# Altium PCB PCB1.PcbDoc (part 1 of 2) (continued)
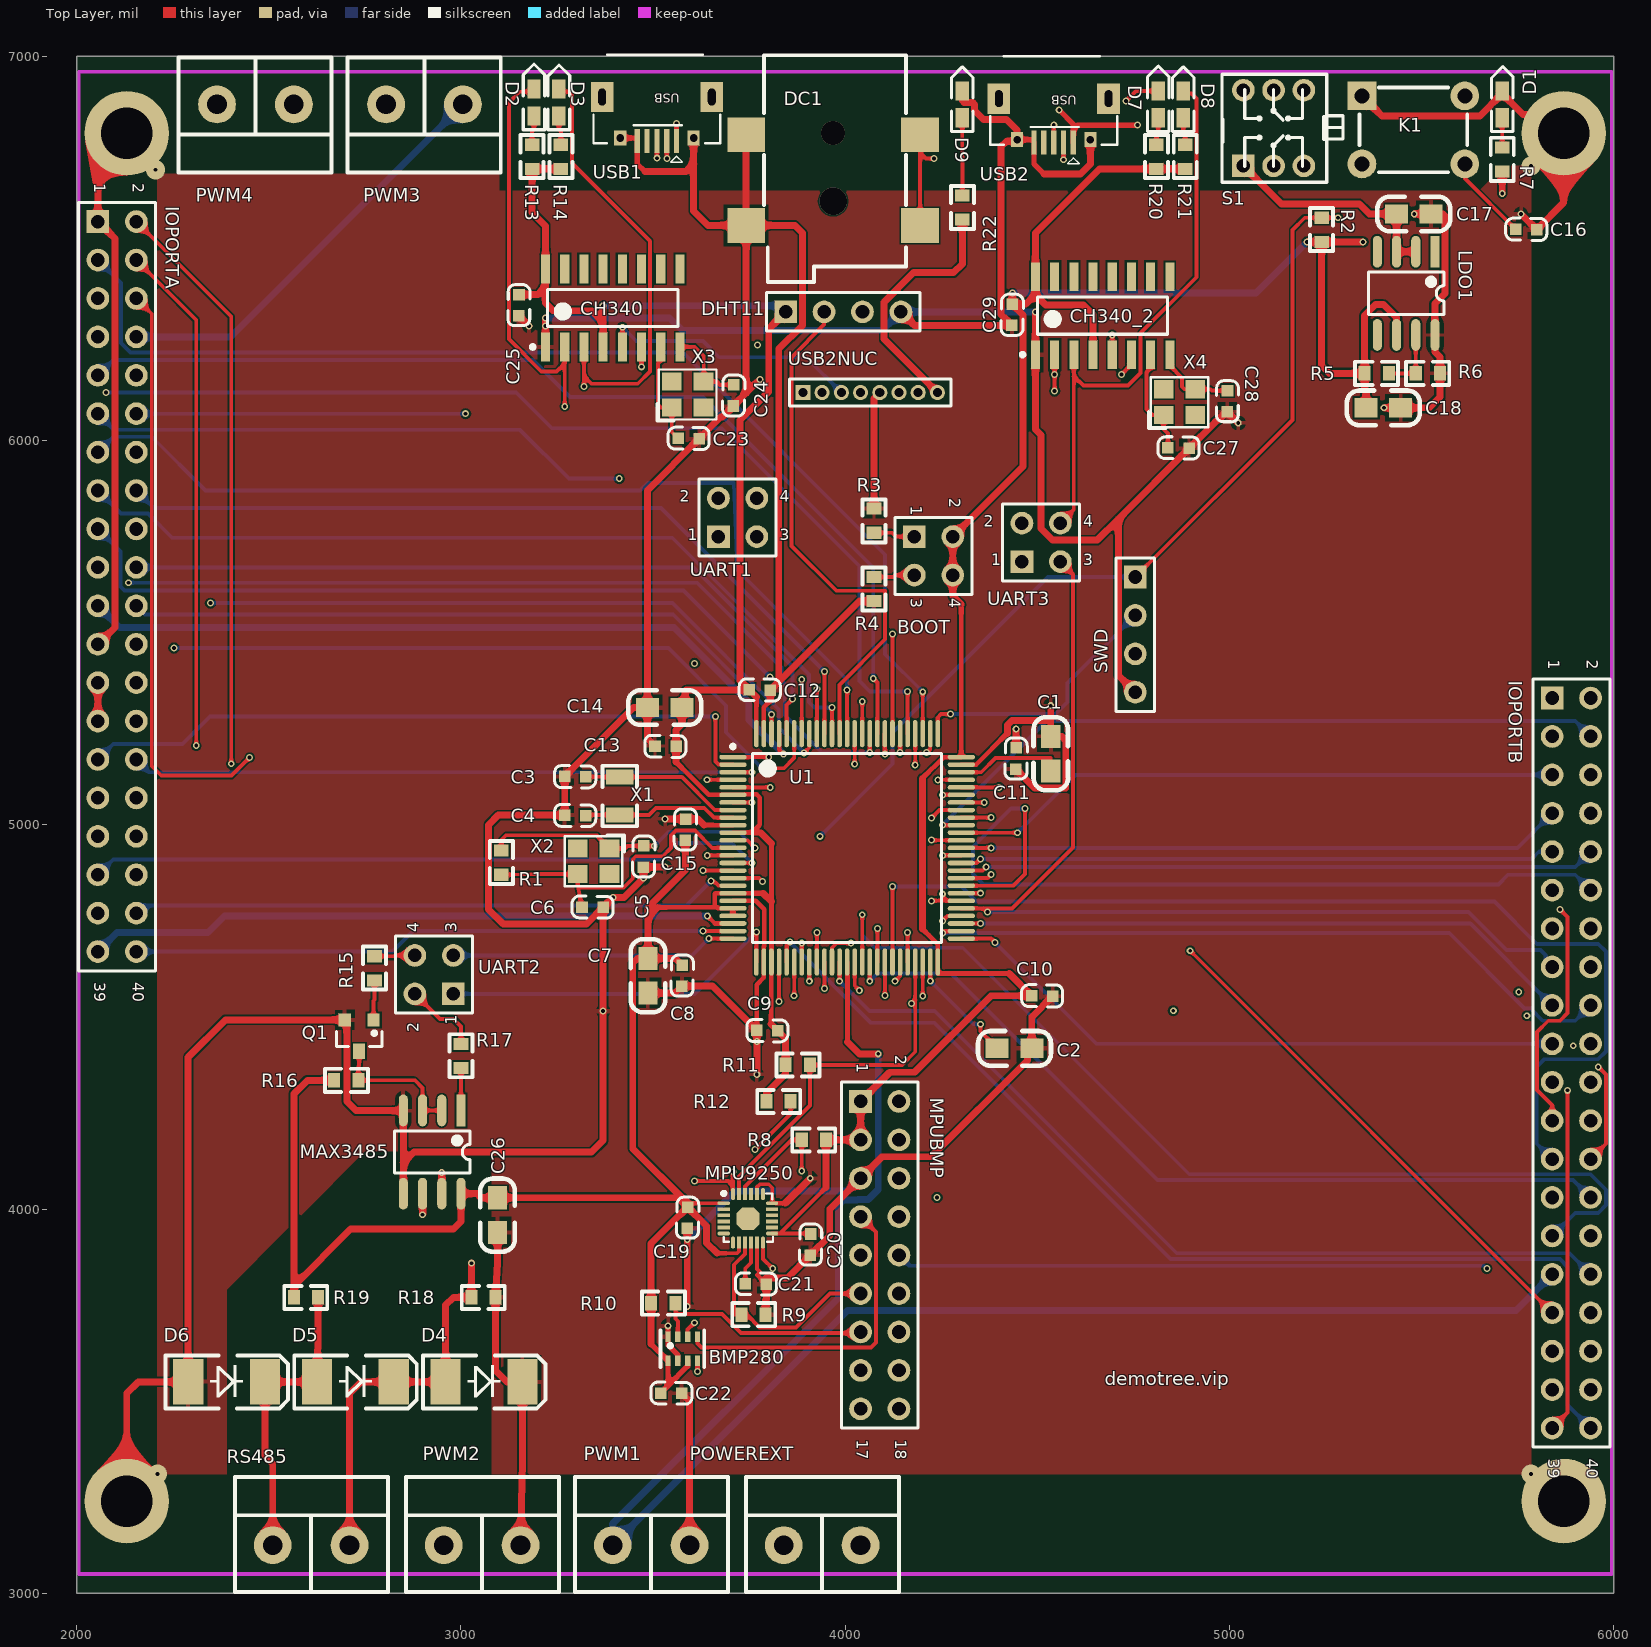
[diagram p0: Top Layer view]
## Components (designator, comment, footprint, x,y, rotation, side; value= is the part's Value field where it differs from the comment) (continued)
BOOT "BOOTMODE" HDR2X2 4180,5750 r270 top
C1 "10uF" 0805C 4535.4,5229.29 r270 top
C2 "10uF" 0805C 4484.94,4417.81 r180 top
C3 "12pF" 0603C 3269.79,5126.35 r0 top
C4 "12pF" 0603C 3269.79,5025.35 r0 top
C5 "22pF" 0603C 3474.65,4889.79 r90 top
C6 "22pF" 0603C 3370.21,4784.65 r180 top
C7 "10uF" 0805C 3486.2,4562.88 r90 top
C8 "104" 0603C 3574.65,4579.79 r90 top
C9 "104" 0603C 3769.79,4465.35 r0 top
C10 "104" 0603C 4540.21,4553.65 r180 top
C11 "104" 0603C 4443.65,5144.79 r90 top
C12 "104" 0603C 3805.21,5349.65 r180 top
C13 "104" 0603C 3504.79,5205.35 r0 top
C14 "10uF" 0805C 3485.71,5305.4 r0 top
C15 "104" 0603C 3585.35,5015.21 r270 top
C16 "104" 0603C 5800.21,6548.65 r180 top
C17 "10uF" 0805C 5524.29,6589.6 r180 top
C18 "10uF" 0805C 5445,6085 r180 top
C19 "104" 0603C 3588.65,3949.79 r90 top
C20 "103" 0603C 3908.65,3879.79 r90 top
C21 "104" 0603C 3795.21,3803.65 r180 top
C22 "104" 0603C 3575.21,3519.65 r180 top
C23 "22pf" 0603C 3620.21,6004.65 r180 top
C24 "22pf" 0603C 3708.65,6089.79 r90 top
C25 "104" 0603C 3149.65,6324.79 r90 top
C26 "104" 0805C 3095,3940 r90 top
C27 "22pf" 0603C 4895.21,5979.65 r180 top
C28 "22pf" 0603C 4993.65,6074.79 r90 top
C29 "104" 0603C 4433.65,6299.79 r90 top
CH340 "CH340G" SOIC127P600X170-16N 3395,6345 r90 top
CH340_2 "CH340G" SOIC127P600X170-16N 4670,6325 r90 top
D1 "GREEN0603" LED-0603G 5710.26,6835 r90 top
D2 "BLUE0603" LED-0603B 3190.26,6845 r90 top
D3 "YELLOW0603" LED-0603Y 3255,6840 r90 top
D4 "SMAJ6.5CA" SMA/DO-214AC 2965,3550 r0 top
D5 "SMAJ6.5CA" SMA/DO-214AC 2630,3550 r0 top
D6 "SMAJ6.5CA" SMA/DO-214AC 2295,3550 r0 top
D7 "BLUE0603" LED-0603B 4815,6840 r90 top
D8 "YELLOW0603" LED-0603Y 4880,6835 r90 top
D9 "RED0603" LED-0603W 4305,6845 r90 top
DC1 "DC_5V" DC-050 4195,6796.22 r270 top
DHT11 "Header 4" HDR1X4 3845,6335 r0 top
IOPORTA "Header 20X2" HDR2X20 2055,6570 r270 top locked
IOPORTB "Header 20X2" HDR2X20 5840,5330 r270 top locked
K1 "RST" DIP-6X6X5 5345,6897.17 r0 top
LDO1 "RT2516-2A-LDO" SOP8 5535,6491.54 r270 top
MAX3485 "MAX3485" SOP8 3000,4256.54 r270 top
MPU9250 "MPU9250" QFN24-9250 3841.5,3952.01 r0 top
MPUBMP "Header 9X2" HDR2X9 4040,4280 r270 top
POWEREXT "Power5V" KF301-2P 3840,3125 r0 top
PWM1 "TIM1" KF301-2P 3395,3125 r0 top
PWM2 "TIM2" KF301-2P 2955,3125 r0 top
PWM3 "TIM3" KF301-2P 3005,6875 r180 top
PWM4 "TIM4" KF301-2P 2565,6875 r180 top
Q1 "S8050" SOT23 2735,4450 r270 top
R1 "1M" 0603R 3105,4932.99 r270 top
R2 "10k" 0603R 5240,6580 r270 top
R3 "10k" 0603R 4075,5760 r90 top
R4 "10k" 0603R 4075,5645 r270 top
R5 "5.6k" 0603R 5352.01,6175 r0 top
R6 "1k" 0603R 5485,6175 r0 top
R7 "4.7k" 0603R 5710,6762.99 r270 top
R8 "10k" 0603R 3887.01,4180 r0 top
R9 "10k" 0603R 3792.99,3725 r180 top
R10 "10k" 0603R 3557.99,3755 r180 top
R11 "4.7k" 0603R 3907.99,4375 r180 top
R12 "4.7k" 0603R 3857.99,4280 r180 top
R13 "4.7k" 0603R 3185,6770 r270 top
R14 "4.7k" 0603R 3260,6770 r270 top
R15 "4.7k" 0603R 2775,4657.99 r270 top
R16 "4.7k" 0603R 2732.99,4335 r180 top
R17 "1k" 0603R 3000,4430 r270 top
R18 "4.7k" 0603R 3027.01,3770 r0 top
R19 "4.7k" 0603R 2565,3770 r0 top
R20 "4.7k" 0603R 4810,6770 r270 top
R21 "4.7k" 0603R 4885,6770 r270 top
R22 "4.7k" 0603R 4305,6637.99 r270 top
RS485 "RS485 1A2B" KF301-2P 2510,3125 r0 top
S1 "POWERSW" "KFT DIP-7X7" 5036.26,6715 r90 top
SWD "STLINKV2" HDR1X4 4755,5645 r270 top
U1 "STM32F417VET6" STM-LQFP100_N 4005,4940 r0 top
UART1 "UART1CH340" HDR2X2 3670,5750 r0 top
UART2 "UART2MAX3485" HDR2X2 2980,4560 r90 top
UART3 "UART1CH340" HDR2X2 4460,5685 r0 top
USB1 "STM_UART1" USB-micro_B 3561.18,6780 r180 top
USB2 "STM_UART1" USB-micro_B 4593.9,6775.83 r180 top
USB2NUC "MHDR1X8" MHDR1X8 3890,6125 r0 top
X1 "32.768k" X3215 3415,5075 r90 top
X2 "8M" "OSC 3225-4P" 3345,4905 r180 top
X3 "12M" "OSC 3225-4P" 3590,6120 r0 top
X4 "12M" "OSC 3225-4P" 4870,6100 r0 top

## Footprints (in the part's own frame and the unit in brackets; to place one, negate y for a bottom-side part, rotate by r counter-clockwise, add the part's x,y. Pads: shape width x height; smd on the part's side, far side on the other; paste and mask are expansions set on the pad)
0603C [mil]
  rect 30x30 smd: 1(0.21,-0.35) 2(55.21,-1.35)
  silkscreen extent -26,-30 81,28, body extent -1,-15 62,17, height 12
0603R [mm]
  rect 0.8x0.965 smd: 1(0,0) 2(1.6,0)
  silkscreen extent -0.64,-0.76 2.21,0.76, body extent -0.04,-0.41 1.56,0.41, height 0.45
0805C [mil]
  rect 60x50 smd: 1(-0.71,-0.4) 2(89.29,-0.4)
  silkscreen extent -51,-45 139,45, body extent 6,-25 84,25, height 31
DC-050 [mm] "5.5X2.1mm"
  rect 2.3x2.5 smd: 1(0,0) 1(6,0) 2(6,-11.5) 3(0,-11.5)
  silkscreen extent -5.25,-10.32 9.73,-0.92, body extent -5.11,-12.09 9.69,0.51, height 11
DIP-6X6X5 [mm]
  rect 1.9x1.9 hole 1: 1(0,0)
  round 1.9 hole 1: 2(0,-4.5) 3(6.8,-4.5) 4(6.8,0)
  silkscreen extent -0.16,-5.04 6.96,0.54, body extent -0.8,-5.24 7.41,0.76, height 4.95
HDR1X4 [mm] "Connector; Header; 4 Position"
  rect 1.5x1.5 hole 0.9: 1(0,0)
  round 1.5 hole 0.9: 2(2.54,0) 3(5.08,0) 4(7.62,0)
  silkscreen extent -1.27,-1.27 8.89,1.27
HDR2X2 [mm] "Connector; Header; 2x2 Position"
  rect 1.5x1.5 hole 0.9: 1(0,0)
  round 1.5 hole 0.9: 2(0,2.54) 3(2.54,0) 4(2.54,2.54)
  silkscreen extent -1.27,-1.27 3.81,3.81
HDR2X9 [mm] "Connector; Header; 9x2 Position"
  rect 1.5x1.5 hole 0.9: 1(0,0)
  round 1.5 hole 0.9: 2(0,2.54) 3(2.54,0) 4(2.54,2.54) 5(5.08,0) 6(5.08,2.54) 7(7.62,0) 8(7.62,2.54) 9(10.16,0) 10(10.16,2.54) 11(12.7,0) 12(12.7,2.54) 13(15.24,0) 14(15.24,2.54) 15(17.78,0) 16(17.78,2.54) 17(20.32,0) 18(20.32,2.54)
  silkscreen extent -1.27,-1.27 21.59,3.81
HDR2X20 [mm] "Connector; Header; 20x2 Position"
  rect 1.5x1.5 hole 0.9: 1(0,0)
  round 1.5 hole 0.9: 2(0,2.54) 3(2.54,0) 4(2.54,2.54) 5(5.08,0) 6(5.08,2.54) 7(7.62,0) 8(7.62,2.54) 9(10.16,0) 10(10.16,2.54) 11(12.7,0) 12(12.7,2.54) 13(15.24,0) 14(15.24,2.54) 15(17.78,0) 16(17.78,2.54) 17(20.32,0) 18(20.32,2.54) 19(22.86,0) 20(22.86,2.54) 21(25.4,0) 22(25.4,2.54) 23(27.94,0) 24(27.94,2.54) 25(30.48,0) 26(30.48,2.54) 27(33.02,0) 28(33.02,2.54) 29(35.56,0) 30(35.56,2.54) 31(38.1,0) 32(38.1,2.54) 33(40.64,0) 34(40.64,2.54) 35(43.18,0) 36(43.18,2.54) 37(45.72,0) 38(45.72,2.54) 39(48.26,0) 40(48.26,2.54)
  silkscreen extent -1.27,-1.27 49.53,3.81
KF301-2P [mm] "间距5.08mm"
  round 2.5 hole 1.3: 1(0,0) 2(5.08,0)
  silkscreen extent -2.5,-3.1 7.62,4.5, body extent -3.06,-3.04 7.54,4.56, height 10
"KFT DIP-7X7" [mm]
  rect 1.5x1.5 hole 0.9: 1(0,0)
  round 1.5 hole 0.9: 2(0,-2) 3(0,-4) 4(5,-4) 5(5,-2) 6(5,0)
  silkscreen extent -1.08,-6.58 6.06,1.42, body extent -1.09,-5.46 5.91,1.54, height 11.2
LED-0603B [mil]
  rect 50x35 smd: A(0,0.26) K(70,0.26)
  silkscreen extent -36,-28 135,28, body extent 4,-15 66,17, height 24
LED-0603G [mil]
  rect 50x35 smd: A(5,0.26) K(75,0.26)
  silkscreen extent -31,-28 139,28, body extent 9,-15 71,17, height 24
LED-0603W [mil]
  rect 50x35 smd: A(-5,0.26) K(65,0.26)
  silkscreen extent -41,-28 128,28, body extent -1,-15 61,17, height 24
LED-0603Y [mil]
  rect 50x35 smd: A(5,0) K(75,0)
  silkscreen extent -31,-28 138,28, body extent 9,-17 71,15, height 24
LGA8-BOSCH [mm] "LGA8"
  rect 0.7x0.35 smd: 1(0,2) 2(0,1.35) 3(0,0.7) 4(0,0.05) 5(-1.6,0.05) 6(-1.6,0.7) 7(-1.6,1.35) 8(-1.6,2)
  silkscreen extent -2,-0.4 0.4,2.5
MHDR1X8 [mm] "Connector; Header; 8 Position"
  rect 1x1 hole 0.6: 1(0,0)
  round 1 hole 0.6: 2(1.27,0) 3(2.54,0) 4(3.81,0) 5(5.08,0) 6(6.35,0) 7(7.62,0) 8(8.89,0)
  silkscreen extent -0.9,-0.9 9.79,0.9
"OSC 3225-4P" [mm]
  rect 1.3x1.2 smd: 1(-1.05,-0.85) 2(1.05,-0.85) 3(1.05,0.85) 4(-1.05,0.85)
  silkscreen extent -2.03,-1.75 1.91,1.65, body extent -1.47,-1.27 1.73,1.23, height 0.7
QFN24-9250 [mm] "QFN24"
  oct 0.8x0.25 smd paste+0 mask+0.01: 1(-4,1.6) 6(-4,-0.4) 13(-0.8,-0.4) 18(-0.8,1.6)
  rect 0.8x0.25 smd paste+0 mask+0.01: 2(-4,1.2) 3(-4,0.8) 4(-4,0.4) 5(-4,0) 14(-0.8,0) 15(-0.8,0.4) 16(-0.8,0.8) 17(-0.8,1.2)
  oct 0.25x0.8 smd paste+0 mask+0.01: 7(-3.4,-1) 12(-1.4,-1) 19(-1.4,2.2) 24(-3.4,2.2)
  rect 0.25x0.8 smd paste+0 mask+0.01: 8(-3,-1) 9(-2.6,-1) 10(-2.2,-1) 11(-1.8,-1) 20(-1.8,2.2) 21(-2.2,2.2) 22(-2.6,2.2) 23(-3,2.2)
  oct 1.5x1.5 smd paste+0 mask+0: 25(-2.4,0.575)
  silkscreen extent -4.11,-0.95 -0.75,2.36
SMA/DO-214AC [mm] "塑封二极管"
  rect 2x3 smd: A(-0.127,0) K(4.953,0)
  silkscreen extent -1.63,-1.75 6.48,1.75, body extent 0.11,-1.35 4.71,1.35, height 2.4
SOIC127P600X170-16N [mm] "SOIC, 16-Leads, Body 8.6x4.0mm (max), Pitch 1.27mm, IPC Medium Density"
  rect 1.9x0.6 smd: 1(-2.575,4.445) 2(-2.575,3.175) 3(-2.575,1.905) 4(-2.575,0.635) 5(-2.575,-0.635) 6(-2.575,-1.905) 7(-2.575,-3.175) 8(-2.575,-4.445) 9(2.575,-4.445) 10(2.575,-3.175) 11(2.575,-1.905) 12(2.575,-0.635) 13(2.575,0.635) 14(2.575,1.905) 15(2.575,3.175) 16(2.575,4.445)
  silkscreen extent -2.7,-4.3 1.22,5.42, body extent -1.98,-4.28 1.97,4.28, height 1.7
SOP8 [mm]
  rect 2.1x0.6 smd: 1(0,0)
  oval 2.1x0.6 smd: 2(0,-1.27) 3(0,-2.54) 4(0,-3.81) 5(5.5,-3.81) 6(5.5,-2.54) 7(5.5,-1.27) 8(5.5,0)
  silkscreen extent 1.35,-4.41 4.15,0.6, body extent -0.36,-4.37 5.64,0.63, height 1.9
SOT23 [mm] "SOT23, 3-Leads, Body 2.9x1.3mm, Pitch 0.95mm, Lead Span 2.3mm - Reverse Pinning, IPC High Density"
  rect 0.85x0.8 smd: 1(-1.075,0.95) 2(-1.075,-0.95)
  rect 1x0.8 smd: 3(1,0)
  silkscreen extent -0.32,-1.5 0.7,1.5, body extent -0.7,-1.5 0.7,1.5, height 1.1
STM-LQFP100_N [mm] "Thin QFP, 100-Leads, Body 14x14mm, Pitch 0.5mm, IPC Medium Density"
  oval 1.8x0.3 smd: 1(-7.55,6) 2(-7.55,5.5) 3(-7.55,5) 4(-7.55,4.5) 5(-7.55,4) 6(-7.55,3.5) 7(-7.55,3) 8(-7.55,2.5) 9(-7.55,2) 10(-7.55,1.5) 11(-7.55,1) 12(-7.55,0.5) 13(-7.55,0) 14(-7.55,-0.5) 15(-7.55,-1) 16(-7.55,-1.5) 17(-7.55,-2) 18(-7.55,-2.5) 19(-7.55,-3) 20(-7.55,-3.5) 21(-7.55,-4) 22(-7.55,-4.5) 23(-7.55,-5) 24(-7.55,-5.5) 25(-7.55,-6) 51(7.55,-6) 52(7.55,-5.5) 53(7.55,-5) 54(7.55,-4.5) 55(7.55,-4) 56(7.55,-3.5) 57(7.55,-3) 58(7.55,-2.5) 59(7.55,-2) 60(7.55,-1.5) 61(7.55,-1) 62(7.55,-0.5) 63(7.55,0) 64(7.55,0.5) 65(7.55,1) 66(7.55,1.5) 67(7.55,2) 68(7.55,2.5) 69(7.55,3) 70(7.55,3.5) 71(7.55,4) 72(7.55,4.5) 73(7.55,5) 74(7.55,5.5) 75(7.55,6)
  oval 0.3x1.8 smd: 26(-6,-7.55) 27(-5.5,-7.55) 28(-5,-7.55) 29(-4.5,-7.55) 30(-4,-7.55) 31(-3.5,-7.55) 32(-3,-7.55) 33(-2.5,-7.55) 34(-2,-7.55) 35(-1.5,-7.55) 36(-1,-7.55) 37(-0.5,-7.55) 38(0,-7.55) 39(0.5,-7.55) 40(1,-7.55) 41(1.5,-7.55) 42(2,-7.55) 43(2.5,-7.55) 44(3,-7.55) 45(3.5,-7.55) 46(4,-7.55) 47(4.5,-7.55) 48(5,-7.55) 49(5.5,-7.55) 50(6,-7.55) 76(6,7.55) 77(5.5,7.55) 78(5,7.55) 79(4.5,7.55) 80(4,7.55) 81(3.5,7.55) 82(3,7.55) 83(2.5,7.55) 84(2,7.55) 85(1.5,7.55) 86(1,7.55) 87(0.5,7.55) 88(0,7.55) 89(-0.5,7.55) 90(-1,7.55) 91(-1.5,7.55) 92(-2,7.55) 93(-2.5,7.55) 94(-3,7.55) 95(-3.5,7.55) 96(-4,7.55) 97(-4.5,7.55) 98(-5,7.55) 99(-5.5,7.55) 100(-6,7.55)
  silkscreen extent -7.67,-6.25 6.25,6.82, body extent -7,-7 7,7, height 1.6
USB-micro_B [mm]
  rect 1.5x2 hole 0.5 slot 1.1 at 90 deg: 0(-2.325,-2.9) 0(4.925,-2.9)
  rect 0.35x1.6 smd: 1(0,0) 2(0.65,0) 3(1.3,0) 4(1.95,0) 5(2.6,0)
  rect 0.8x1 hole 0.5: 5(-1.125,-0.19) 5(3.725,-0.19)
  silkscreen extent -2.89,-5.69 5.49,1.4, body extent -2.7,-5.6 5.3,0, height 2.8
X3215 [mm]
  rect 1x1.8 smd: 1(-1.25,0.05) 2(1.25,0.05)
  silkscreen extent -2,-1.1 2,1.18

## Part data
BMP280: library part LGA8-BOSCH
BOOT UART1 UART2 UART3: library part "Header 2X2", "Header, 2-Pin, Dual row", LatestRevisionDate=17-Jul-2002, LatestRevisionNote="Re-released for DXP Platform.", Publisher="Altium Limited"
C1 C2 C3 C4 C5 C6 C7 C8 C9 C10 C11 C12 C13 C14 C15 C16 C17 C18 C19 C20 C21 C22 C23 C24 C25 C26 C27 C28 C29: library part CAP, "无极性电容"
CH340 CH340_2: library part Component_1
D1 D2 D3 D7 D8 D9: library part LED
D4 D5 D6: library part TVS, "双向瞬态抑制二极管"
DC1: library part DC_Socket
DHT11: "Header, 4-Pin", LatestRevisionDate=17-Jul-2002, LatestRevisionNote="Re-released for DXP Platform.", Publisher="Altium Limited"
IOPORTA IOPORTB: "Header, 20-Pin, Dual row", LatestRevisionDate=17-Jul-2002, LatestRevisionNote="Re-released for DXP Platform.", Publisher="Altium Limited"
K1: library part KEY
LDO1: library part RT2516
MAX3485: library part MAX481
MPU9250: library part QFN24
MPUBMP: "Header, 9-Pin, Dual row", LatestRevisionDate=17-Jul-2002, LatestRevisionNote="Re-released for DXP Platform.", Publisher="Altium Limited"
POWEREXT PWM1 PWM2 PWM3 PWM4 RS485: library part Connector-2P
Q1: library part S9014
R1 R2 R3 R4 R5 R6 R7 R8 R9 R10 R11 R12 R13 R14 R15 R16 R17 R18 R19 R20 R21 R22: library part RES
S1: library part "KFT DIP-7X7"
SWD: library part "Header 4", "Header, 4-Pin", LatestRevisionDate=17-Jul-2002, LatestRevisionNote="Re-released for DXP Platform.", Publisher="Altium Limited"
U1: "ARM Cortex-M4 32-bit MCU+FPU, 210 DMIPS, 512 kB Flash, 192 kB Internal RAM, 82 I/Os, 100-pin LQFP, -40 to 85 degC, Tray", I/Os (High Current)=82, Manufacturer=STMicroelectronics, Operating Frequency(F) (Processor speed) (MHz)=168, Supplier Part Number 1=497-11901-ND, Supply Voltage(Vcc) max (V)=3.6, Supply Voltage(Vcc) min (V)=1.8, ComponentLink1Description="Manufacturer URL", ComponentLink1URL=http://www.st.com/web/en/home.html, ComponentLink2Description=Datasheet, ComponentLink2URL=http://www.st.com/st-web-ui/static/active/en/resource/technical/document/datasheet/DM00035129.pdf, ComponentLink3Description="Package Specification", ComponentLink3URL=http://www.st.com/st-web-ui/static/active/en/resource/technical/document/data_brief/DM00071938.pdf, Core="ARM Cortex-M4", D/A Converter=2x12-bit, DatasheetVersion="Rev. 4", FLASH Size (Prog) (kB)=512, Internal RAM Size (kB)=192, Mounting Technology="Surface Mount", PackageDescription="100-Pin Low Profile Quad Flat Package, 14 x 14 mm Body, 0.5 mm Pitch", PackageReference=LQFP100, PackageVersion="Rev. 1, 06/2013", Packing=Tray, PartNumber=STM32F417VET6, Supplier 1=Digi-Key, Supplier 2=Farnell, Supplier 3=Newark, Supplier 4=Newark, Supplier 5=Mouser, Supplier Part Number 2=2333307, Supplier Part Number 3=99W9922, Supplier Part Number 4=94T6496, Supplier Part Number 5=511-STM32F417VET6
USB1 USB2: library part Micro-USB
USB2NUC: "Header, 8-Pin", LatestRevisionDate=17-Jul-2002, LatestRevisionNote="Re-released for DXP Platform.", Publisher="Altium Limited"
X1: library part XTAL-2P, "2脚无源脚晶振"
X2 X3 X4: library part XTAL-4P, "4脚无源晶振"

## Free pads (board coordinates)
  round 220 hole 134: 2(5870,3240) 3(2130,3240) 4(2130,6800) 5(5870,6800)

## Via types
v1: diameter 18, hole 10, Top Layer to Bottom Layer, 162 vias
v2: diameter 50, hole 10, Top Layer to Bottom Layer, 4 vias
v3: diameter 62.99, hole 62.99, Top Layer to Bottom Layer, 1 vias
v4: diameter 70.87, hole 70.87, Top Layer to Bottom Layer, 1 vias

## Nets (pads, with @x,y where several pads share a name; then routed paths per layer and width w, separated by ;. In a path a pad name is that pad's centre, name@x,y a point inside that pad or via, vN(x,y) a via of type N, cw(c..) or ccw(c..) an arc to the next point about the centre after c; other vN are vias at no path point)
+5: C17.2 IOPORTA.25 IOPORTA.27 LDO1.2 LDO1.3 POWEREXT.1 S1.1 | length 7260.5
  Top Layer w18: IOPORTA.27@2055,5270 IOPORTA.25@2055,5370 ; S1.1@5036.26,6715 5135.26,6616 5338,6616 5364,6590 C17.2@5435,6590 LDO1.3@5435,6491.54 LDO1.2@5485,6491.54
  Middle Layer 1 w18: IOPORTA.25@2055,5370 2105,5420 2976,5420 ; v1(3608,5420) 2976,5420 ; S1.1@5036.26,6715 4522.26,6201 3757,6201 2976,5420
  Middle Layer 2 w18: v1(3608,5420) 3734,5294 3734,3231 POWEREXT.1@3840,3125
BMP280_CSB: BMP280.2 MPUBMP.13 R10.1 | length 596.5
  Top Layer w10: R10.1@3557.99,3755 3557.99,3734.01 ; BMP280.2@3564.41,3667.99 3564.41,3708 3557.99,3714.42 3557.99,3734.01 ; MPUBMP.13@4040,3680 4037,3677 3729,3677 3679,3727 3565,3727 3557.99,3734.01
BOOT0: BOOT.1 R3.1 U1.94 | length 743.3
  Top Layer w10: U1.94@3886.89,5237.24 v1(3886.89,5378) ; R3.1@4075,5760 4122,5760 4132,5750 BOOT.1@4180,5750
  Middle Layer 1 w10: v1(3886.89,5378) 3886.89,5456.89 BOOT.1@4180,5750
BOOT1: BOOT.3 IOPORTB.32 R4.1 U1.37 | length 3676
  Top Layer w10: v1(3985.32,4593) U1.37@3985.32,4642.76 ; R4.1@4075,5645 4125,5645 4130,5650 BOOT.3@4180,5650
  Middle Layer 2 w10: v1(3985.32,4593) 4053,4660.68 4053,4732 4070,4749 4129,4749 4272,4892 4272,5246 4255,5263 4255,5575 BOOT.3@4180,5650
  Bottom Layer w10: v1(3985.32,4593) 4063.32,4515 4233,4515 4863,3885 5885,3885 IOPORTB.32@5940,3830
CH340RX: CH340.3 D3.K UART1.4 | length 1873.3
  Top Layer w10: D3.K@3255,6915 3255,6908 3281,6908 3289,6900 3289,6722 3492,6519 3492,6180 3460,6148 3340,6148 3320,6168 ; v1(3320,6141) 3320,6168 ; CH340.3@3320,6243.62 3320,6168
  Middle Layer 2 w10: v1(3320,6141) 3749,6141 3770,6120 UART1.4@3770,5850
CH340RX_2: CH340_2.3 D8.K UART3.4 | length 1471.6
  Top Layer w10: UART3.4@4560,5785 4595,5820 4595,6168 ; CH340_2.3@4595,6223.62 4595,6168 ; D8.K@4880,6910 4880,6903 4901,6903 4914,6890 4914,6425 4769,6280 4769,6176 4736,6143 4620,6143 4595,6168
CH340TX: CH340.2 D2.K UART1.2 | length 1605.6
  Top Layer w10: D2.K@3190,6915 3190,6908 3153,6908 3125,6880 3125,6264 3209,6180 3249,6180 3270,6201 ; v1(3270,6089) 3270,6201 ; CH340.2@3270,6243.62 3270,6201
  Middle Layer 2 w10: v1(3270,6089) 3377,5982 3377,5873 3400,5850 UART1.2@3670,5850
CH340TX_2: CH340_2.2 D7.K UART3.2 | length 1357.4
  Top Layer w10: v1(4545,6129) v1(4545,6172) CH340_2.2@4545,6223.62 ; v1(4731,6884) 4757,6910 D7.K@4814.74,6910
  Middle Layer 2 w10: UART3.2@4460,5785 4460,6044 v1(4545,6129) ; v1(4545,6172) 4731,6358 v1(4731,6884)
DN1: CH340.6 USB1.2 USB2NUC.2 | length 1429.4
  Top Layer w10: v1(3470,6192) CH340.6@3470,6243.62 ; USB1.2@3535.59,6780 3535.59,6735 v1(3536,6734.59)
  Middle Layer 2 w10: v1(3470,6192) 3536,6258 ; v1(3536,6734.59) 3536,6258 ; USB2NUC.2@3940,6125 3985,6170 3985,6360 3964,6381 3659,6381 3536,6258
DN2: CH340_2.6 USB2.2 USB2NUC.7 | length 1468.8
  Top Layer w10: v1(4568.31,6731) USB2.2@4568.31,6775.83 ; v1(4719,6172) 4745,6198 CH340_2.6@4745,6223.62
  Middle Layer 1 w10: USB2NUC.7@4190,6125 4190,6146 4203.24,6146 4213.24,6156 4449,6156 4495,6110 4657,6110 v1(4719,6172)
  Middle Layer 2 w10: USB2NUC.7@4190,6125 4190,6352.69 v1(4568.31,6731)
DP1: CH340.5 USB1.3 USB2NUC.3 | length 1214.1
  Top Layer w10: CH340.5@3420,6243.62 v1(3420,6295.02) ; v1(3510,6735) USB1.3@3510,6780
  Middle Layer 2 w10: v1(3420,6295.02) 3420,6645 v1(3510,6735)
  Bottom Layer w10: v1(3420,6295.02) 3456.02,6259 3630,6259 3672,6217 3898,6217 USB2NUC.3@3990,6125
DP2: CH340_2.5 USB2.3 USB2NUC.6 | length 1722.2
  Top Layer w10: USB2.3@4542.72,6775.83 4542.72,6820.72 v1(4543,6821) ; CH340_2.5@4695,6223.62 v1(4695,6275)
  Middle Layer 1 w10: USB2NUC.6@4140,6125 4189,6174 4484,6174 4508,6150 4570,6150 v1(4695,6275)
  Middle Layer 2 w10: v1(4543,6821) 4588,6776 4588,6612 4476,6500 4476,6177 4500,6153 4573,6153 v1(4695,6275)
EXTI2C_SCL: IOPORTB.22 MPUBMP.8 | length 1945
  Middle Layer 1 w10: MPUBMP.8@4140,3980 4432,4272 5882,4272 IOPORTB.22@5940,4330
EXTI2C_SDA: IOPORTB.21 MPUBMP.10 | length 2666.8
  Middle Layer 2 w10: v1(5670,3845) 5670,4560 5700,4590 5780,4590 5800,4570 5800,4370 IOPORTB.21@5840,4330
  Bottom Layer w10: MPUBMP.10@4140,3880 4167.74,3852.26 5662.74,3852.26 v1(5670,3845)
GND: BMP280.1 BMP280.7 C1.1 C2.1 C3.1 C4.1 C5.1 C6.1 C7.1 C8.1 C9.1 C10.1 C11.1 C12.1 C13.1 C14.1 C15.1 C16.1 C17.1 C18.1 C19.1 C20.1 C21.1 C22.1 C23.1 C24.1 C25.1 C26.1 C27.1 C28.1 C29.1 CH340.1 CH340_2.1 D1.K D4.K D6.A D9.K DC1.2 DC1.3 DHT11.4 IOPORTA.1 IOPORTA.23 IOPORTA.24 K1.1 LDO1.8 MAX3485.4 MAX3485.5 MPU9250.11 MPU9250.18 MPU9250.20 MPUBMP.5 pad.2 pad.3 pad.4 pad.5 PWM1.2 PWM2.2 PWM3.2 PWM4.2 Q1.2 R3.2 R4.2 R6.2 R9.1 R18.2 SWD.4 U1.10 U1.20 U1.27 U1.74 U1.99 USB1.5 USB2.5 USB2NUC.4 USB2NUC.5 | length 30028.4
  Top Layer w9.84: MPU9250.11@3770.63,3912.64 3770.63,3844 3778.45,3836.18 3770.63,3828.37 C21.1@3785.82,3813.18 ; MPU9250.20@3770.63,4038.62 3770.63,4057 3777.92,4064.29 3801,4064.29 3810,4055.29 MPU9250.18@3810,4015 3844,4015
  Top Layer w11.81: 3632.84,4999.06 U1.10@3707.76,4999.06 ; U1.20@3707.76,4802.2 3766.8,4802.2 3789,4780 3789,4684 3788.46,4683.46 U1.27@3788.46,4642.76 3788.46,4602.46 3770,4584 C9.1@3770,4465 ; U1.99@3788.46,5237.24 3788.46,5275.54 3788,5276 3788,5305.97 3805,5322.97 ; U1.74@4302.24,5156.54 4340.54,5156.54 4422,5238
  Top Layer w13.78: USB1.5@3414.53,6787.48 3451.34,6787.48 USB1.5@3458.82,6780 3458.82,6720 3478.82,6700 ; v1(3539,3696) 3538.82,3695.82 BMP280.1@3538.82,3667.99 3538.82,3645.59 3564.41,3620 BMP280.7@3564.41,3605 ; USB2.5@4447.24,6783.31 4484.05,6783.31 USB2.5@4491.54,6775.83 4491.54,6720 4517.54,6694
  Top Layer w18: IOPORTA.23@2055,5470 2099,5514 2099,6526 IOPORTA.1@2055,6570 2055,6800 pad.4@2130,6800 ; pad.3@2130,3240 2130,3520 2160,3550 D6.A@2290,3550 2290,4395 2387.32,4492.32 Q1.2@2697.6,4492.32 2703,4492.32 2703,4280 2727,4256 MAX3485.4@2850,4256 ; MAX3485.5@2850,4040 2850,4120 ; MAX3485.4@2850,4256.54 MAX3485.4@2850,4256 ; C26.1@3095.4,3939.29 3095.4,3859.4 R18.2@3090,3770 3090,3580 3120,3550 D4.K@3160,3550 3160,3343 PWM2.2@3155,3125 ; C25.1@3150,6325 v1(3177,6298) ; CH340.1@3220,6243.62 v1(3220,6298) v1(3220,6319) ; 3478.82,6700 3585.47,6700 3605.47,6720 ; C7.1@3486.6,4562.18 3557.18,4562.18 C8.1@3575,4580 3655,4580 C9.1@3770,4465 v1(3770,4436) v1(3770,4350) ; C13.1@3505,5205 3485,5225 C14.1@3485,5305 ; v1(3531,4890) C5.1@3475,4890 v1(3475,4861) 3424.5,4810.5 v1(3395.5,4810.5) C6.1@3370,4785 ; v1(3531,5015) C15.1@3585,5015 3616.89,5015 3632.84,4999.06 ; C22.1@3575,3520 3595,3500 PWM1.2@3595,3125 ; v1(3589,3746) v1(3589,3921) C19.1@3589,3950 ; USB1.5@3605.47,6787.48 3605.47,6720 ; DC1.3@3742.24,6796.22 DC1.2@3742.24,6560 ; v1(3778,6159) 3742.24,6123.24 ; R9.1@3792.99,3725 3792.99,3763 3795,3765.01 C21.1@3795,3804 3785.82,3813.18 3793.63,3821 3850,3821 C20.1@3909,3880 3959.87,3930.87 3959.87,3999.87 MPUBMP.5@4040,4080 4096,4136 4223,4136 4474,4387 4474,4418.21 C2.1@4485.64,4418.21 4485.64,4499.64 C10.1@4540,4554 ; 3805,5322.97 C12.1@3805,5350 3827,5372 ; 3844,4015 v1(3909,4080) ; R4.2@4075,5582.01 4037.01,5582.01 3827,5372 ; R3.2@4075,5822.99 4075,6110 USB2NUC.5@4090,6125 ; DHT11.4@4145,6335 4180,6300 C29.1@4434,6300 4406,6328 4406,6765 4420,6779 4447.24,6779 USB2.5@4447.24,6783.31 4447.24,6808.76 4420,6836 4360,6836 4337,6859 4337,6875 4332,6880 4309.74,6880 4304.74,6885 D9.K@4304.74,6910 ; 4422,5238 4422,5260 4434,5272 4530,5272 4535,5267 ; C11.1@4444,5145 4493,5096 4574,5096 4574,5220 4564,5230 C1.1@4535,5230 4535,5267 ; v1(4495,6335) CH340_2.1@4495,6223.62 4495,6029 4510,6014 4510,5771 4540,5741 4656,5741 4711,5796 ; 4517.54,6694 4612.19,6694 4638.19,6720 USB2.5@4638.19,6783.31 ; v1(4535,5310) 4535,5267 ; SWD.4@4755,5345 4711,5389 4711,5796 ; v1(5023,6046) C28.1@4994,6075 4961,6046 C27.1@4895,5980 4711,5796 ; K1.1@5345,6897.17 5397.17,6845 5652,6845 D1.K@5710,6903 ; v1(5402,6085.4) C18.1@5445.71,6085.4 5520,6085.4 5547.99,6113.39 R6.2@5547.99,6175 5547.99,6218 5535,6230.99 LDO1.8@5535,6275 5535,6357 5561,6383 5561,6585 5556,6590 C17.1@5525,6590 v1(5481,6590) ; D1.K@5710,6910 D1.K@5710,6903 ; v1(5759,6590) C16.1@5800,6549 5870,6619 pad.5@5870,6800 5870,6849 5764,6849 D1.K@5710,6903 ; 2850,4120 MAX3485.4@2850,4256 ; 2850,4120 2878,4148 3340,4148 3370,4178 v1(3370,4515) C6.1@3370,4785 ; C6.1@3370,4785 3327,4742 3110,4742 3072,4780 3072,5000 3097,5025 C4.1@3270,5025 C3.1@3270,5126 3449,5305 C14.1@3485,5305 ; C14.1@3485,5305 3485,5870 C23.1@3620,6005 3676,6061 3680,6061 C24.1@3709,6090 3742.24,6123.24 ; 3605.47,6720 3605.47,6597.53 3643,6560 DC1.2@3742.24,6560 ; 3742.24,6123.24 DC1.2@3742.24,6560 ; DC1.2@3742.24,6560 3869,6560 3889,6540 3889,6300 3827,6238 3827,5372
  Middle Layer 1 w18: IOPORTA.23@2055,5470 IOPORTA.24@2155,5470 ; pad.4@2130,6800 2290,6800 PWM4.2@2365,6875 2429,6811 2741,6811 PWM3.2@2805,6875 2857,6875 2945,6787 3414.53,6787 USB1.5@3414.53,6787.48 ; PWM2.2@3155,3125 3219,3189 3531,3189 3539,3181 ; v1(3177,6298) v1(3220,6298) ; v1(3370,4515) 3535,4350 v1(3770,4350) ; v1(3539,3696) 3539,3181 ; v1(3778,6159) 4006,6159 USB2NUC.4@4040,6125 USB2NUC.5@4090,6125 ; v1(3909,4080) MPUBMP.5@4040,4080 ; v1(4535,5310) 4720,5310 SWD.4@4755,5345 ; v1(5023,6046) 5362.6,6046 v1(5402,6085.4) ; v1(5481,6590) v1(5759,6590) ; pad.2@5870,3240 3710,3240 PWM1.2@3595,3125 3539,3181
  Middle Layer 2 w18: v1(3531,4890) v1(3531,5015) ; v1(3539,3696) v1(3589,3746) ; v1(3770,4350) MPUBMP.5@4040,4080 ; USB2NUC.5@4090,6125 4145,6180 DHT11.4@4145,6335
  Bottom Layer w18: v1(3220,6319) 3543,6319 3576,6286 4096,6286 DHT11.4@4145,6335 v1(4495,6335) ; v1(3589,3921) 3714.53,4046.53 4006.53,4046.53 MPUBMP.5@4040,4080
  other v2: 2210,3310 5785,3310 2205,6705 5785,6714.79
I2C_AD0: BMP280.5 MPU9250.9 MPUBMP.11 R9.2 | length 1114.7
  Top Layer w9.84: 3711,3855 3739.13,3883.13 MPU9250.9@3739.13,3912.64
  Top Layer w10: BMP280.5@3615.59,3605 3615.59,3577.41 v1(3616,3577) ; 3711,3855 3711,3725 R9.2@3730,3725 3744,3725 3777,3692 3872,3692 3960,3780 MPUBMP.11@4040,3780
  Middle Layer 1 w10: v1(3616,3577) 3819,3780 MPUBMP.11@4040,3780
I2C_SCL: BMP280.4 MPU9250.23 MPUBMP.7 R11.1 U1.47 | length 2435.8
  Top Layer w9.84: MPU9250.23@3723.39,4038.62 3723.39,4084.39
  Top Layer w10: BMP280.4@3615.59,3667.99 3615.59,3650 3625.59,3640 4067,3640 4080,3653 4080,3940 MPUBMP.7@4040,3980 ; 3723.39,4084.39 3907.99,4268.99 R11.1@3907.99,4375 4147.85,4375 4182.17,4409.32 4182.17,4544.32 ; v1(4172.85,4535) 4182.17,4544.32 ; U1.47@4182.17,4642.76 4182.17,4544.32
  Middle Layer 2 w10: MPUBMP.7@4040,3980 4100.47,4040.47 4160,4040.47 4182,4062.47 4182,4525.85 v1(4172.85,4535)
I2C_SDA: BMP280.3 MPU9250.24 MPUBMP.9 R12.1 U1.48 | length 2120.5
  Top Layer w9.84: 3694.64,4073 3707.64,4060 ; MPU9250.24@3707.64,4038.62 3707.64,4060 ; v1(3707.64,4097) 3707.64,4060
  Top Layer w10: BMP280.3@3590,3667.99 3590,3686 v1(3608,3704) ; v1(3608,4073) 3694.64,4073 ; v1(3765.5,4154.5) 3857.99,4246.99 R12.1@3857.99,4280 ; v1(4201.85,4554) U1.48@4201.85,4642.76
  Middle Layer 1 w10: v1(3707.64,4097) 3823,4097 ; v1(3765.5,4154.5) 3823,4097 ; MPUBMP.9@4040,3880 3823,4097
  Middle Layer 2 w10: v1(3608,3704) v1(3608,4073) ; MPUBMP.9@4040,3880 4100,3940 4181,3940 4201.85,3960.85 v1(4201.85,4554)
MPU9250_INT: MPU9250.12 MPUBMP.17 | length 537.7
  Top Layer w9.84: 3786.38,3870 MPU9250.12@3786.38,3912.64
  Top Layer w10: 3786.38,3870 v1(3811.38,3845)
  Middle Layer 2 w10: v1(3811.38,3845) 3811.38,3708.62 MPUBMP.17@4040,3480
MPU9250_NCS: MPU9250.22 MPUBMP.15 R8.1 | length 920.8
  Top Layer w9.84: MPU9250.22@3739.13,4038.62 3739.13,4058.7 3860.43,4180
  Top Layer w10: 3860.43,4180 R8.1@3887.01,4180 v1(3887.01,4099)
  Middle Layer 2 w10: v1(3887.01,4099) 3954,4099 4000.47,4052.53 4000.47,3619.53 MPUBMP.15@4040,3580
NetC1_2: C1.2 U1.73 | length 282.1
  Top Layer w10: U1.73@4302.24,5136.85 4354,5136.85 4391.15,5174 4535,5174 C1.2@4535,5140
NetC2_2: C2.2 U1.49 | length 307.4
  Top Layer w10: v1(4221.54,4593.1) U1.49@4221.54,4642.76 ; v1(4352,4480.97) 4352,4462.64 4395.64,4419 C2.2@4395.64,4418.21
  Bottom Layer w10: v1(4221.54,4593.1) 4333.67,4480.97 v1(4352,4480.97)
NetC21_2: C21.2 MPU9250.10 | length 113.8
  Top Layer w9.84: 3754.88,3860 MPU9250.10@3754.88,3912.64
  Top Layer w10: C21.2@3740,3805 3740,3845.12 3754.88,3860
NetC23_2: C23.2 CH340.7 X3.1 | length 278.9
  Top Layer w10: CH340.7@3520,6243.62 3520,6208 3513,6201 3513,6093.54 3520,6086.54 X3.1@3548.66,6086.54 3548.66,6022.34 C23.2@3565,6006
NetC24_2: C24.2 CH340.8 X3.3 | length 221
  Top Layer w10: CH340.8@3570,6243.62 3570,6244 3608,6244 3632,6220 X3.3@3632,6153.46 ; X3.3@3631.34,6153.46 X3.3@3632,6153.46 ; C24.2@3710,6145 3674.46,6145 3666,6153.46 X3.3@3632,6153.46
NetC27_2: C27.2 CH340_2.7 X4.1 | length 286.7
  Top Layer w10: CH340_2.7@4795,6223.62 4795,6188 4784.52,6177.52 4784.52,6082.01 4800,6066.54 X4.1@4828.66,6066.54 4828.66,6029.34 4840,6018 C27.2@4840,5981
NetC28_2: C28.2 CH340_2.8 X4.3 | length 219
  Top Layer w10: CH340_2.8@4845,6223.62 4845,6195 4877,6163 4877,6140 4883.54,6133.46 X4.3@4911.34,6133.46 4951,6133.46 4954.46,6130 C28.2@4995,6130
NetD1_A: D1.A R7.1 | length 77
  Top Layer w10: R7.1@5710,6762.99 D1.A@5710,6840
NetD2_A: D2.A R13.1 | length 77.1
  Top Layer w10: R13.1@3185,6770 3185,6805 3190,6810 D2.A@3190,6845
NetD3_A: D3.A R14.1 | length 77.1
  Top Layer w10: D3.A@3255,6845 3255,6810 3260,6805 R14.1@3260,6770
NetD4_A: D4.A D5.K MAX3485.7 R18.1 RS485.2 | length 1344.6
  Top Layer w18: RS485.2@2710,3125 2710,3520 2740,3550 D5.K@2825,3550 D4.A@2960,3550 2960,3750 2980,3770 R18.1@3027.01,3770 v1(3027.01,3859) ; MAX3485.7@2950,4040 v1(2950,4095)
  Middle Layer 2 w18: v1(2950,4095) 2950,3936.01 v1(3027.01,3859)
NetD5_A: D5.A D6.K MAX3485.6 R19.2 RS485.1 | length 1864.9
  Top Layer w18: RS485.1@2510,3125 2510,3338 2490,3358 D6.K@2490,3550 D5.A@2625,3550 2627.99,3662.99 R19.2@2627.99,3770 ; v1(2900,3985) MAX3485.6@2900,4040
  Middle Layer 2 w18: RS485.1@2510,3125 2510,3595 v1(2900,3985)
NetD7_A: D7.A R20.1 | length 72
  Top Layer w10: R20.1@4810,6770 4810,6802 4814.74,6806.74 D7.A@4814.74,6840
NetD8_A: D8.A R21.1 | length 72.1
  Top Layer w10: D8.A@4880,6840 4880,6807 4885,6802 R21.1@4885,6770
NetD9_A: D9.A R22.1 | length 202.1
  Top Layer w10: D9.A@4304.74,6840 4304.74,6738.26 4305,6738 R22.1@4305,6637.99
NetDC1_1: DC1.1 S1.2 | length 1187.7
  Top Layer w10: DC1.1@4195,6560 4195,6749 ; DC1.1@4195,6796.22 4195,6749 ; v1(4231,6734) 4210,6734 4195,6749
  Middle Layer 1 w10: v1(4231,6734) 4250,6753 4995,6753 4997,6755 5075,6755 S1.2@5115,6715
NetLDO1_7: LDO1.7 R5.2 R6.1 | length 170
  Top Layer w10: R5.2@5415,6175 R6.1@5485,6175 LDO1.7@5485,6275
NetMAX3485_1: MAX3485.1 R17.2 | length 110.5
  Top Layer w10: MAX3485.1@3000,4256.54 R17.2@3000,4367.01
NetMAX3485_2: MAX3485.2 MAX3485.3 Q1.3 R16.1 | length 360.2
  Top Layer w10: Q1.3@2735,4410.63 2735,4373.01 2732.99,4371 R16.1@2732.99,4335 2880,4335 2900,4315 MAX3485.3@2900,4256.54 MAX3485.2@2950,4256.54
NetQ1_1: Q1.1 R15.2 | length 103.8
  Top Layer w10: Q1.1@2772.4,4492.32 2772.4,4542 2775,4544.6 R15.2@2775,4595